# Altium PCB Main (Cópia em conflito de ivan seidel 2013-04-30).PcbDoc (part 2 of 2)
Units mil, origin at the board's own origin, x right, y up, seen from the top; angles counter-clockwise.
Board outline 7637.8 x 5309.29 mil, 2 copper layers (Top Layer, Bottom Layer), stack 65.792 mil thick; 235 components, 196 nets, 794 pads, 227 vias.
Unrouted connection lines stored in the file: 1.
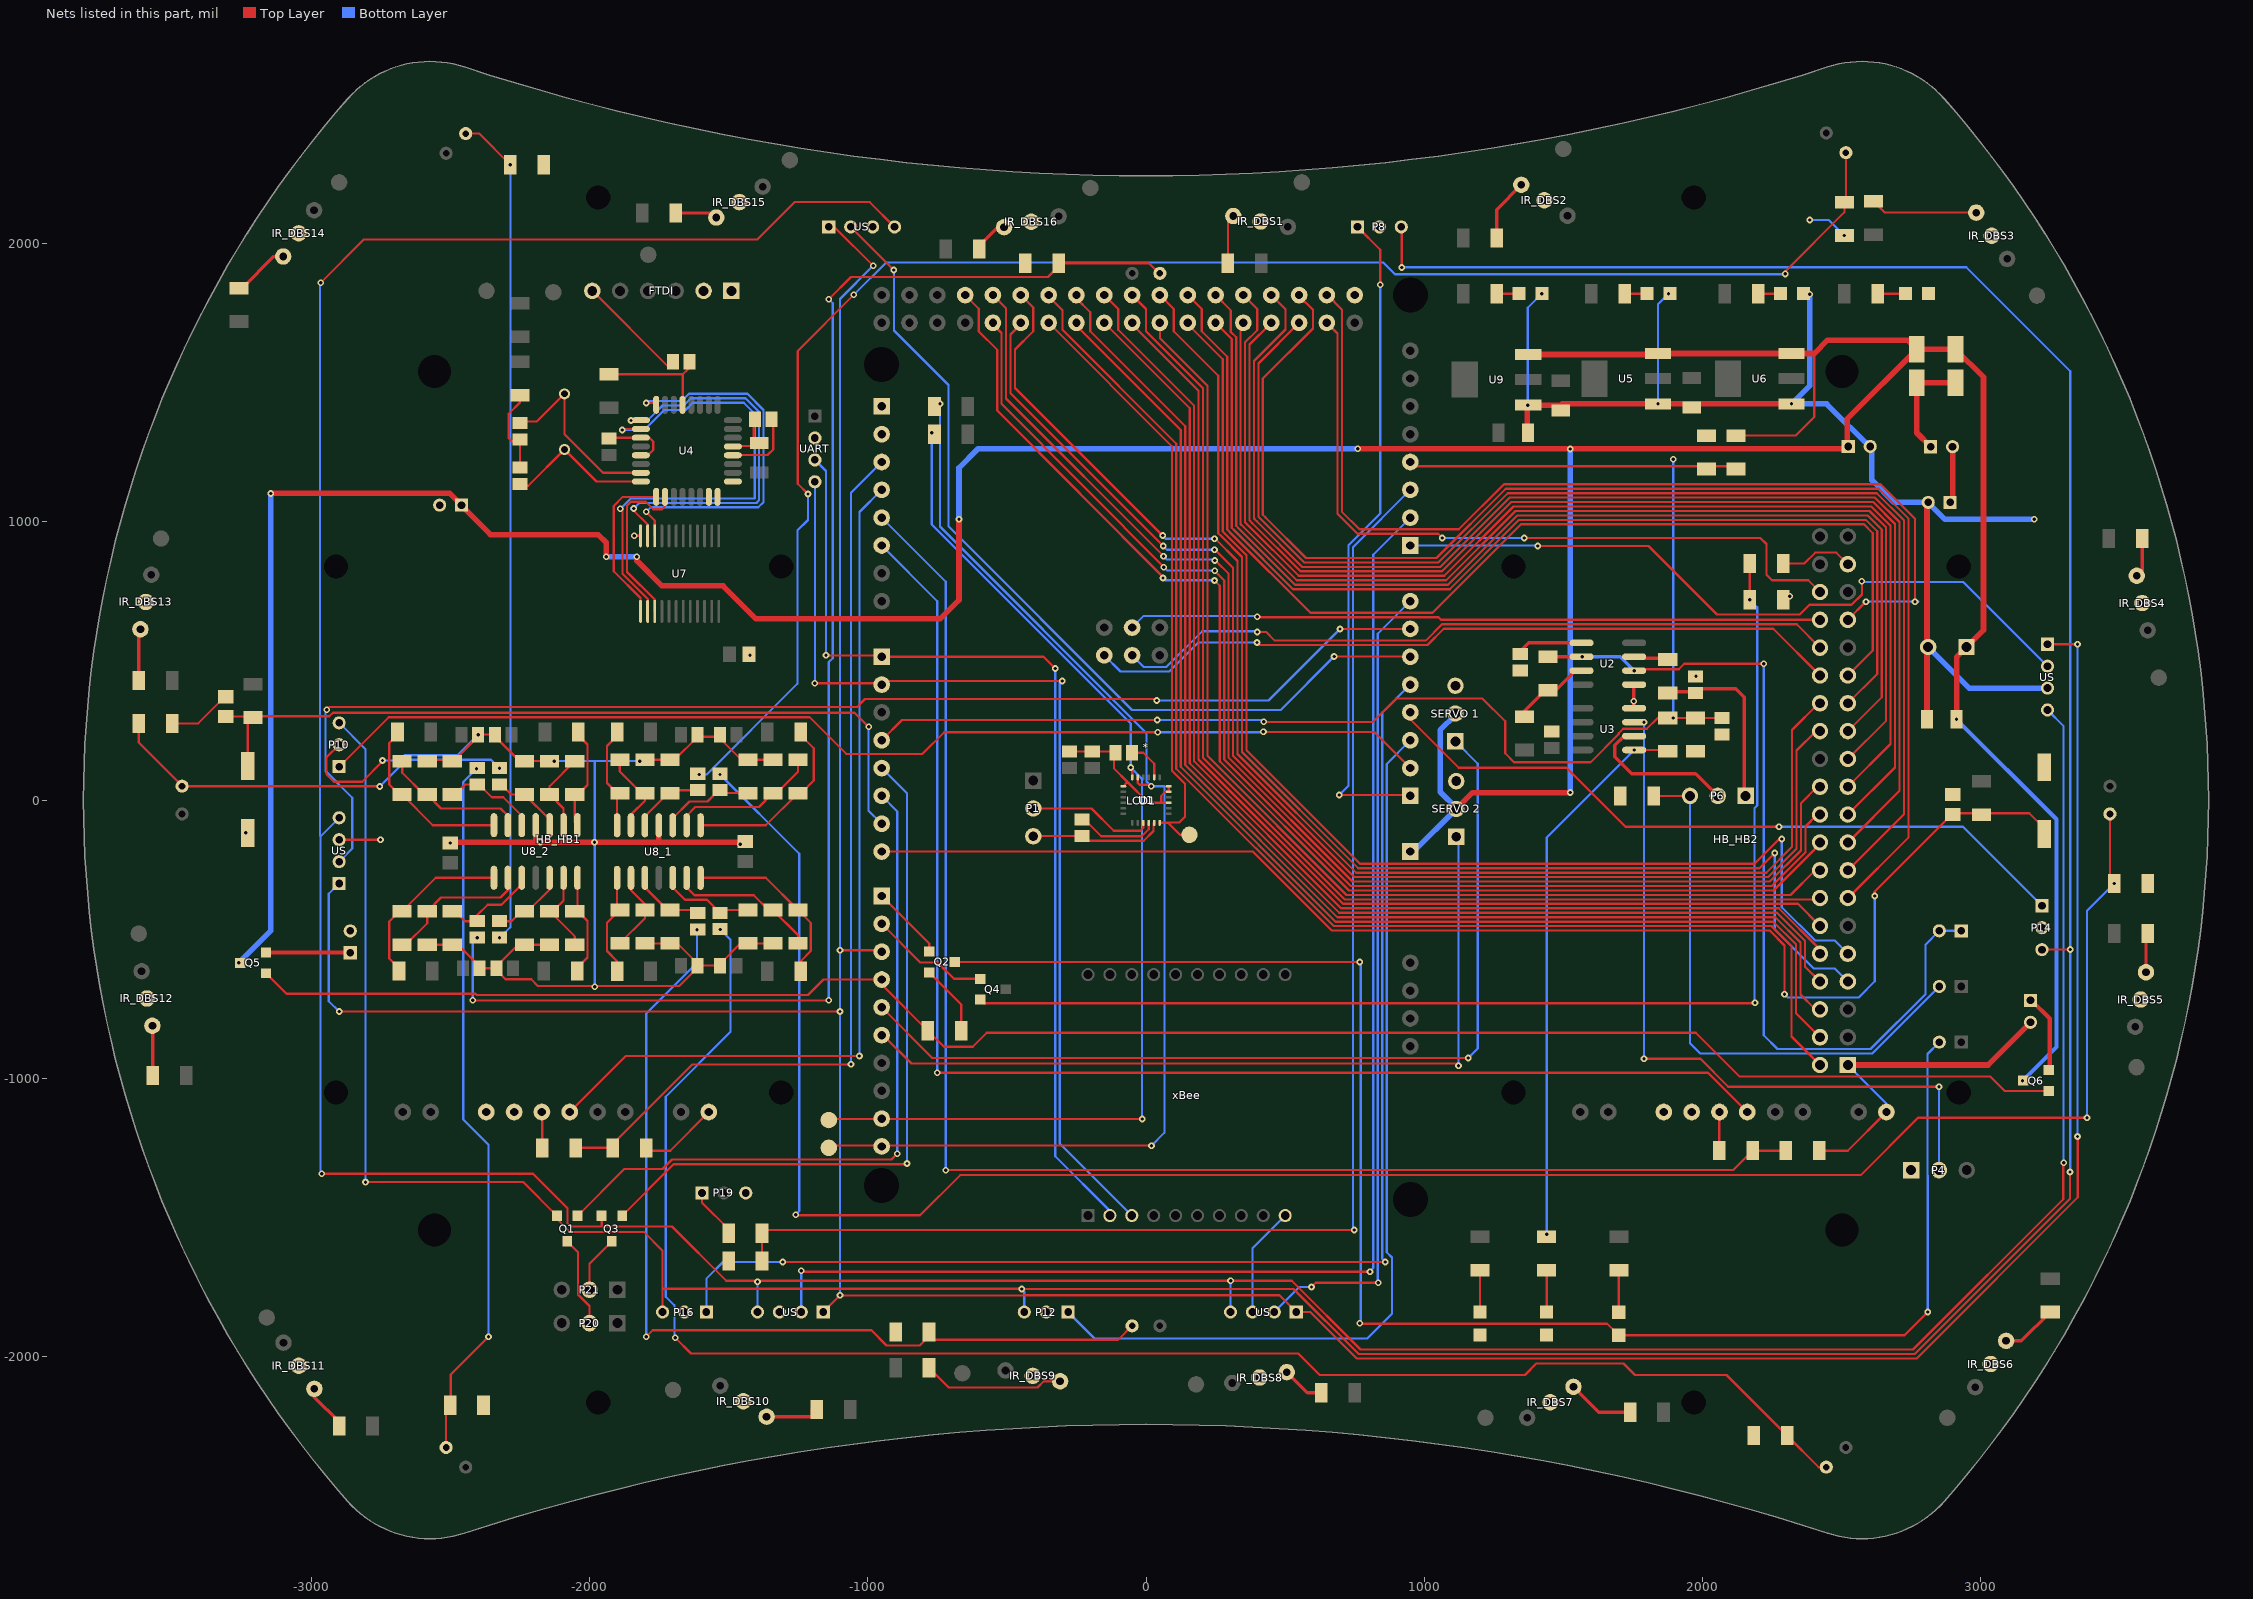
[diagram p2: the nets of this part, all layers, seen from the top]

## Via types
v1: diameter 24, hole 12, Top Layer to Bottom Layer, tented both sides, 227 vias

## Nets (pads, with @x,y where several pads share a name; then routed paths per layer and width w, separated by ;. In a path a pad name is that pad's centre, name@x,y a point inside that pad or via, vN(x,y) a via of type N, cw(c..) or ccw(c..) an arc to the next point about the centre after c; other vN are vias at no path point) (continued)
DB0: *.33 LCD1.21 | length 4809.1
  Top Layer w8: *.33@-333.61,1793.61 -300,1760 -300,1690 109,1281 109,112.61 674.61,-453 2248,-453 2320,-525 2320,-849.79 LCD1.21@2422.45,-952.25
DB1: *.34 LCD1.22 | length 4595.9
  Top Layer w8: *.34@-250,1715 -250,1705 125,1330 125,119.24 681.24,-437 2254.63,-437 2336,-518.37 2336,-765.79 LCD1.22@2422.45,-852.25
DB2: *.35 LCD1.23 | length 4594
  Top Layer w8: *.35@-250,1803 -200,1753 -200,1685 141,1344 141,125.86 687.86,-421 2261.25,-421 2352,-511.75 2352,-699 2405.25,-752.25 LCD1.23@2422.45,-752.25
DB3: *.36 LCD1.24 | length 4354.5
  Top Layer w8: *.36@-150,1715 157,1408 157,132.49 694.49,-405 2267.88,-405 2368,-505.12 2368,-597.79 LCD1.24@2422.45,-652.25
DB4: *.37 LCD1.25 | length 4354.5
  Top Layer w8: *.37@-150,1815 -100,1765 -100,1690 173,1417 173,139.12 701.12,-389 2274.51,-389 2422.45,-536.94 LCD1.25@2422.45,-552.25
DB5: *.38 LCD1.26 | length 4149.4
  Top Layer w8: *.38@-50,1715 -50,1710 189,1471 189,145.75 707.75,-373 2343.21,-373 LCD1.26@2422.45,-452.25
DB6: *.39 LCD1.27 | length 4198.7
  Top Layer w8: *.39@-50,1815 0,1765 0,1685 205,1480 205,152.37 714.37,-357 2417.7,-357 LCD1.27@2422.45,-352.25
DB7: *.40 LCD1.28 | length 4072.2
  Top Layer w8: *.40@50,1715 50,1660 221,1489 221,159 721,-341 2316.37,-341 2405.13,-252.25 LCD1.28@2422.45,-252.25
DB8: *.51 LCD1.7 | length 4871.7
  Top Layer w8: *.51@550,1815 550,1812 600,1762 600,1695 420,1515 420,1025.22 430,1015.22 430,1015 575,870 1044.12,870 1293.12,1119 2633.37,1119 2740,1012.37 2740,-135 2522.75,-352.25 LCD1.7@2522.45,-352.25
DB9: *.50 LCD1.8 | length 4630.3
  Top Layer w8: *.50@550,1715 404,1569 404,1018.59 414,1008.59 414,1008.37 568.37,854 1050.75,854 1299.75,1103 2626.75,1103 2724,1005.75 2724,-51 2522.75,-252.25 LCD1.8@2522.45,-252.25
DB10: *.49 LCD1.9 | length 4631.1
  Top Layer w8: *.49@450,1815 501,1764 501,1691 388,1578 388,1011.96 398,1001.96 398,1001.75 561.75,838 1057.37,838 1306.37,1087 2620.12,1087 2708,999.12 2708,33 2522.75,-152.25 LCD1.9@2522.45,-152.25
DB11: *.48 LCD1.10 | length 4392.7
  Top Layer w8: *.48@450,1715 452,1713 448,1713 372,1637 372,1005.33 382,995.33 382,995.12 555.12,822 1064,822 1313,1071 2613.49,1071 2692,992.49 2692,117.3 LCD1.10@2522.45,-52.25
DB12: *.47 LCD1.11 | length 4388.7
  Top Layer w8: *.47@350,1815 400,1765 400,1689 356,1645 356,998.71 366,988.71 366,988.49 548.49,806 1072,806 1321,1055 2606.86,1055 2676,985.86 2676,201.3 LCD1.11@2522.45,47.75
DB13: *.46 LCD1.12 | length 4147.2
  Top Layer w8: *.46@350,1715 350,1711 340,1701 340,992.08 350,982.08 350,981.86 541.86,790 1078.63,790 1327.63,1039 2600.24,1039 2660,979.24 2660,285.3 LCD1.12@2522.45,147.75
DB14: *.45 LCD1.13 | length 4167.1
  Top Layer w8: *.45@250,1815 305,1760 305,1682.63 324,1663.63 324,985.45 334,975.45 334,975.24 535.24,774 1085.25,774 1334.25,1023 2593.61,1023 2644,972.61 2644,369.3 LCD1.13@2522.45,247.75
DB15: *.44 LCD1.14 | length 3953.9
  Top Layer w8: *.44@250,1715 308,1657 308,978.82 318,968.82 318,968.61 528.61,758 1091.88,758 1340.88,1007 2586.98,1007 2628,965.98 2628,453.3 LCD1.14@2522.45,347.75
DTR: C7.2 FTDI.6 | length 409.8
  Top Layer w8: FTDI.6@-1989.5,1830.5 -1716.72,1557.72 C7.2@-1692.72,1557.72
EN: U4.10 U7.15 | length 612.5
  Top Layer w8: U7.15@-1765.57,678.17 -1765.57,720.57 -1865,820 -1865,1057.94 -1850.94,1072 -1798.06,1072 -1771.22,1045.17 -1739.17,1045.17 -1728.74,1055.59 U4.10@-1728.74,1089.65
GND: 3V3_1.2 3V3_DUE.2 5V_1.2 5V_IR.2 "SERVO 1.3" "SERVO 2.3" *.GND5 C1.1 C2.1 C3.1 C4.1 C5.1 C6.1 C8.1 C9.2 C10.2 C11.1 C12.1 C13.1 C14.2 C15.1 C16.1 C17.1 C18.1 C19.2 C20.2 C21.1 C22.1 C25_1.2 C25_2.2 C26_1.2 C26_2.2 C29_1.2 C29_2.2 C30_1.2 C30_2.2 C31_1.1 C31_2.1 FTDI.1 FTDI.2 HB_HB1.GND3 HB_HB2.GND3 IR_DBS1.2 IR_DBS2.2 IR_DBS3.2 IR_DBS4.2 IR_DBS5.2 IR_DBS6.2 IR_DBS7.2 IR_DBS8.2 IR_DBS9.2 IR_DBS10.2 IR_DBS11.2 IR_DBS12.2 IR_DBS13.2 IR_DBS14.2 IR_DBS15.2 IR_DBS16.2 L1.2 L2.2 LCD1.1 P1.3 P4.1 P8.2 P10.2 P12.2 P14.2 P16.2 P18_HB1.2 P18_HB2.2 P19.3 P22.2 P24.2 P26.2 Q2.2 R2_HB1.1 R2_HB2.1 R7.1 R11.1 R12.1 R24.2 R25_1.1 R25_2.1 R26_1.2 R26_2.2 R27_1.2 R27_2.2 R28_1.1 R28_2.1 R29_1.2 R29_2.2 R32_1.2 R32_2.2 R37_1.1 R37_2.1 R38_1.2 R38_2.2 R39_1.2 R39_2.2 R40_1.1 R40_2.1 R41_1.2 R41_2.2 R42_1.2 R42_2.2 R45.1 R49.2 R50.2 SW1.1 SW2.1 U1.1 U1.11 U1.15 U1.17 U1.18 U2.1 U3.4 U4.3 U4.5 U4.21 U5.1 U6.1 U7.12 U8_1.11 U8_2.11 U9.1 UART.2 US.3 xBee.10 | length 15327.8
  Top Layer w8: R37_2.1@-3499.96,275.59 -3406.41,275.59 -3310.72,371.28 C19.2@-3307.09,371.28 ; US.3@-2900,-142.52 v1(-2751.48,-142.52) ; P10.2@-2900,198.74 -2945,153.74 -2945,93 -2918,66 -2817,66 -2743,140 -2743,141 v1(-2744,142) ; R27_2.2@-2583.4,-520.04 R26_2.2@-2493.4,-520.04 -2472.99,-520.04 -2395.35,-597.67 C25_2.2@-2395.35,-604.8 C26_2.2@-2334.41,-604.8 ; R42_2.2@-2583.4,140.04 -2579.44,144 R41_2.2@-2484.54,144 ; R41_2.2@-2493.4,140.04 R41_2.2@-2488.5,140.04 ; C10.2@-2250,1194.53 C9.2@-2250,1289.57 ; C9.2@-2250,1295.47 C9.2@-2250,1289.57 ; R11.1@-2250,1454.96 -2250,1428.58 -2290,1388.58 -2290,1300 -2279.57,1289.57 C9.2@-2250,1289.57 ; R32_2.2@-2143.4,-520.04 R29_2.2@-2233.4,-520.04 -2256.77,-520.04 -2334.41,-597.68 C26_2.2@-2334.41,-604.8 ; v1(-2127.04,140.04) R39_2.2@-2143.4,140.04 R38_2.2@-2233.4,140.04 -2251.5,140.04 -2339.53,228.07 C29_2.2@-2339.53,235.2 v1(-2400.47,235.2) -2400.47,228.07 R41_2.2@-2484.54,144 ; C8.1@-1911.81,1302.24 U4.3@-1815.35,1302.24 -1784.24,1302.24 -1770.87,1288.87 -1770.87,1257.87 -1789.5,1239.25 U4.5@-1815.35,1239.25 ; v1(-1839.83,949.83) U7.12@-1816.75,949.83 ; R2_HB1.1@-1809.96,-1280 -1789.96,-1260 -1710,-1260 HB_HB1.GND3@-1571.1,-1121.1 ; R27_1.2@-1801,-515.04 R26_1.2@-1711,-515.04 -1684.3,-515.04 -1611.47,-587.87 C25_1.2@-1611.47,-595 ; R42_1.2@-1801,145.04 R41_1.2@-1711,145.04 -1694.31,145.04 -1611.47,227.87 -1537.66,227.87 -1454.82,145.04 R38_1.2@-1431,145.04 R39_1.2@-1341,145.04 ; U4.21@-1460,1272.96 -1410,1272.96 C6.1@-1410,1357.96 ; R32_1.2@-1341,-515.04 R29_1.2@-1431,-515.04 -1457.69,-515.04 -1530.53,-587.87 C26_1.2@-1530.53,-595 C25_1.2@-1611.47,-595 ; Q2.2@-779.26,-619.4 -663.96,-734.7 R49.2@-663.96,-829 ; P1.3@-404.53,-129.53 C1.1@-230,-129.53 -229.47,-129.53 -213,-146 -8.37,-146 26.76,-110.86 26.76,-84.46 U1.11@29.53,-81.69 ; C16.1@-275,174.53 C15.1@-193,174.53 C2.1@-114.05,174.53 ; C2.1@-115.43,170 -115.43,114.07 -66.13,64.77 ; U1.1@-81.69,49.21 -66.13,64.77 ; U1.15@81.69,-9.84 55,-9.84 ; U1.18@81.69,49.21 U1.17@81.69,29.53 69.53,29.53 55,15 55,-9.84 ; C11.1@1446.57,241.04 C11.1@1458,252.47 ; R2_HB2.1@2420.04,-1260 2522.28,-1260 HB_HB2.GND3@2661.18,-1121.1 ; R41_2.2@-2488.5,140.04 R41_2.2@-2484.54,144 ; R41_2.2@-2488.5,140.04 -2485.96,140.04 -2482,144 R41_2.2@-2484.54,144 ; C26_2.2@-2334.41,-604.8 -2334.41,-611.93 -2301.98,-644.36 -2209.46,-644.36 -2185.82,-668 -1677.34,-668 -1611.47,-602.13 C25_1.2@-1611.47,-595 ; -66.13,64.77 8.48,-9.84 55,-9.84
  Top Layer w12: U3.4@1717.96,329.96 U3.4@1754.49,329.96 ; U3.4@1752.52,331.93 v1(1752.52,354.96) 1752.52,415 U2.1@1754.49,415 U2.1@1778,415
  Top Layer w20: v1(-2500,-154.57) -2497.25,-151.82 -2193.4,-151.82 ; U8_2.11@-2193.4,-90.31 -2193.4,-151.82 ; U8_1.11@-1751,-90.51 -1751,-145.82 -1745,-151.82 ; C31_1.1@-1440,-149.57 -1442.25,-151.82 -1745,-151.82 ; C22.1@1370.43,1310 1370.43,1416.84 v1(1372.06,1418.46) C12.1@1490,1418.46 ; 1495.43,1423.9 v1(1840,1423.9) v1(2320,1423.9) ; LCD1.1@2522.45,-952.25 3026.75,-952.25 P26.2@3179.63,-799.37 ; C18.1@2806.85,290 2806.85,1065.59 P24.2@2811.26,1070 ; -2193.4,-151.82 v1(-1982,-151.82) -1745,-151.82
  Bottom Layer w8: v1(-2744,142) -2683.63,142 -2664.63,161 -2474.67,161 v1(-2400.47,235.2) ; v1(-2127.04,140.04) -1981,140.04 ; v1(-1981,-671) -1981,140.04 ; v1(-1818.96,140.04) -1981,140.04 ; US.3@382.52,-1840 382.52,-1611 xBee.10@500.13,-1493.39 ; v1(1372.06,1418.46) 1372.06,1769.38 v1(1422.68,1820) ; v1(1840,1423.9) 1840,1782 v1(1878,1820) ; v1(2385,2085) 2453.96,2085 v1(2510,2028.96) ; LCD1.1@2522.45,-952.25 2661.18,-1090.97 HB_HB2.GND3@2661.18,-1121.1
  Bottom Layer w20: v1(2385,1818) 2385,1488.9 v1(2320,1423.9) 2446.1,1423.9 2609,1261 2609,1149.74 2688.74,1070 P24.2@2811.26,1070 2872.26,1009 v1(3193,1009) ; C14.2@2811.1,550 2958.58,402.52 US.3@3240,402.52
  other v1: -1458,-159 -2177,-151 -3235,-117 1977,444.53 -1423,521 2314,733
LCD_CS: *.43 LCD1.15 | length 4039.2
  Top Layer w8: *.43@150,1815 200,1765 200,1685 292,1593 292,972.2 302,962.2 302,961.98 590.98,673 1029.51,673 1347.51,991 2580.35,991 2612,959.35 2612,537.3 LCD1.15@2522.45,447.75
LCD_RESET: *.53 LCD1.17 | length 3596.5
  Top Layer w8: *.53@650,1815 652,1815 704,1763 704,1036 767,973 1124.49,973 1286.49,1135 2640,1135 2764,1011 v1(2764,713) ; LCD1.17@2522.45,647.75 v1(2588,713.3)
  Bottom Layer w8: v1(2588,713.3) 2775.3,713.3 2775,713 v1(2764,713)
LCD_RS: *.41 LCD1.4 | length 4490.5
  Top Layer w8: *.41@50,1815 100,1765 100,1685 260,1525 260,958.94 270,948.94 270,948.73 345,873.73 345,172.37 762.37,-245 2205,-245 v1(2260,-190)
  Bottom Layer w8: v1(2260,-190) 2260,-465 2400,-605 2475.21,-605 LCD1.4@2522.45,-652.25
LCD_WR: *.42 LCD1.5 | length 4305
  Top Layer w8: *.42@150,1715 150,1710 276,1584 276,965.57 286,955.57 286,955.35 361,880.35 361,179 769,-229 2187.06,-229 2276.06,-140 v1(2285,-140)
  Bottom Layer w8: v1(2285,-140) 2285,-385 2405,-505 2475.21,-505 LCD1.5@2522.45,-552.25
LED: Q4.2 R22.2 R24.1 | length 4382.8
  Top Layer w8: Q4.2@-596.26,-717.4 -583.66,-730 v1@2188.7,-730 ; v1(2169.96,720) R22.2@2169.96,850
  Bottom Layer w8: v1(2169.96,720) 2196.53,693.43 2196.53,500.47 2196,499.94 2196,480.06 2196.53,479.53 2196.53,-19.5 2187.4,-28.62 v1@2187.4,-727.4
  other v1: 2188.7,-728.7
MISO: U4.16
MOSI: U4.15
Net3V3_1_1: 3V3_1.1 R31.1 | length 80
  Top Layer w8: R31.1@2200.04,1820 3V3_1.1@2280,1820
Net3V3_DUE_1: 3V3_DUE.1 R48.1 | length 100
  Top Layer w8: R48.1@2630.04,1820 3V3_DUE.1@2730,1820
Net5V_1_1: 5V_1.1 R30.1 | length 80
  Top Layer w8: R30.1@1720.04,1820 5V_1.1@1800,1820
Net5V_IR_1: 5V_IR.1 R15.1 | length 80
  Top Layer w8: R15.1@1260.04,1820 5V_IR.1@1340,1820
Net*_3: *.3 C4.2 R6.1 R7.2 | length 4267.7
  Top Layer w8: *.3@-950,215 -877,288 v1(40,288) ; v1(423,281) 816,281 900,365 1209,365 1291,283 1291,168 1323,136 1598,136 1699.18,237.18 1699.18,239.82 1715.36,256 1799.94,256 1838.98,295.04 R6.1@1875,295.04 ; v1(1895.04,295.04) R6.1@1875,295.04 ; C4.2@2070,294.53 1875.51,294.53 R6.1@1875,295.04
  Bottom Layer w8: v1(40,288) 416,288 v1(423,281) ; v1(1895.04,295.04) v1(1895.04,1224.96)
Net*_4: *.4 Q3.3 | length 2560.1
  Top Layer w8: Q3.3@-1882.6,-1493.74 -1697.86,-1309 -862,-1309 v1(-859,-1306)
  Bottom Layer w8: *.4@-950,115 -859,24 v1(-859,-1306)
Net*_5: *.5 Q1.3 | length 2550.1
  Top Layer w8: Q1.3@-2042.6,-1493.74 -1874.86,-1326 -1737.49,-1326 -1703.49,-1292 -915,-1292 v1(-894,-1271)
  Bottom Layer w8: *.5@-950,15 -894,-41 v1(-894,-1271)
Net*_6: *.6 C19.1 R20.2 SW1.2 | length 2872
  Top Layer w8: C19.1@-3307.09,300.42 -3228.35,300.42 SW1.2@-3228.35,122.05 ; R20.2@-3209.09,296.81 -3204.9,301 -2935.06,301 -2922.06,314 -1048,314 v1(-997,263) ; *.6@-955,-80 *.6@-950,-85
  Bottom Layer w8: v1(-997,263) -997,-38 *.6@-950,-85
Net*_7: *.7 C20.1 R21.2 SW2.2 | length 5005.9
  Top Layer w8: *.7@-950,-185 383.98,-185 667.98,-469 2241.37,-469 2295,-522.63 v1(2295,-698) ; v1(2619.46,-345) 2619.46,-328.54 2896.57,-51.43 C20.1@2899,-51.43 2903.43,-47 3174.84,-47 3228.35,-100.5 SW2.2@3228.35,-122.05
  Bottom Layer w8: v1(2295,-698) 2306.77,-709.77 2561.23,-709.77 2619.46,-651.54 v1(2619.46,-345)
Net*_8: *.8 Q2.3 | length 270.3
  Top Layer w8: *.8@-950,-345 -779.26,-515.74 Q2.3@-779.26,-544.6
Net*_9: *.9 Q4.3 | length 435.6
  Top Layer w8: *.9@-950,-445 -811,-584 -749,-584 -690.4,-642.6 Q4.3@-596.26,-642.6
Net*_10: *.10 US.1 | length 13380.9
  Top Layer w8: v1(-2900,-760) v1(-1100,-760) ; US.1@-1160,-1840 v1(-1100,-1780) -1099,-1781 -437.06,-1781 -436.06,-1780 480,-1780 US.1@540,-1840 590.75,-1840 757.75,-2007 2769.63,-2007 3349,-1427.63 v1@3349,-1209 ; US.1@-1140,2060 -1120,2060 v1(-980,1920) ; v1(-1100,-540) -955,-540 *.10@-950,-545 *.10@-949.6,-544.6 ; US.1@3240,560 v1(3348,560)
  Bottom Layer w8: v1(-2900,-760) -2937,-723 -2937,-337 US.1@-2900,-300 ; v1(-1100,-1780) v1(-1100,-760) v1(-1100,-540) -1100,1801 -981,1920 v1(-980,1920) ; v1@3348,-1214 v1(3348,-1209) v1(3348,560)
Net*_11: *.11 Q5.3 Q6.3 R49.1 | length 6684.4
  Top Layer w8: Q5.3@-3162.74,-622.4 -3089.14,-696 -2410.06,-696 -2405.06,-701 -1215,-701 -1159,-645 *.11@-950,-645 -950,-663.04 R49.1@-784.04,-829 ; R49.1@-786,-829 R49.1@-784.04,-829 ; Q6.3@3245.26,-1045.4 3086.4,-1045.4 3035,-994 2134,-994 1976,-836 -572,-836 -623,-887 -726.04,-887 R49.1@-784.04,-829
Net*_12: "SERVO 1.1" *.12 | length 3368.6
  Top Layer w8: *.12@-950,-745 -768,-927 -704.43,-927 v1(1158,-927)
  Bottom Layer w8: 1112,211 1192,131 1192,-893 v1(1158,-927)
Net*_13: "SERVO 2.1" *.13 | length 2945.5
  Top Layer w8: *.13@-950,-845 -945,-845 -843,-947 1116,-947 1123,-954 v1(1123,-955)
  Bottom Layer w8: 1115,-132 1123,-140 v1(1123,-955)
Net*_17: *.17 R1_HB2.1 R2_HB2.2 | length 5489.2
  Top Layer w8: v1(-720,-1330) 2110.04,-1330 R1_HB2.1@2180.04,-1260 R2_HB2.2@2299.96,-1260
  Bottom Layer w8: *.17@-950,1015 -720,785 v1(-720,-1330)
Net*_19: *.19 R1_HB1.1 R2_HB1.2 | length 3324.8
  Top Layer w8: R1_HB1.1@-2049.96,-1250 -1930.04,-1250 -1630.04,-950 v1(-1060,-950)
  Bottom Layer w8: v1(-1060,-950) -1060,1105 *.19@-950,1215
Net*_20: *.20
Net*_21: *.21
Net*_32: *.32 IMU_INT.1 U1.12 | length 2202.5
  Top Layer w8: *.32@-350,1715 93,1272 93,105.98 140,58.98 140,-60 119,-81 49.9,-81 U1.12@49.21,-81.69 78.69,-81.69 122,-125 IMU_INT.1@156,-125
Net*_A10: *.A10 R43.2 R50.1 | length 4979.8
  Top Layer w8: R50.1@-1379.96,-1656.75 R43.2@-1379.96,-1556.75 -1368.21,-1545 v1(748,-1545)
  Bottom Layer w8: v1(748,-1545) 744,-1541 744,909 *.A10@950,1115
Net*_A11: *.A11 R44.1 R45.2 | length 1181
  Top Layer w8: *.A11@950,1200 R44.1@2131,1200
Net*_SCL1: *.SCL1 IMU_SCL.1 R46.2 U1.23 | length 4294.7
  Top Layer w8: IMU_SCL.1@-1140,-1242 v1(20,-1242) ; R46.2@-750.13,1415 v1(-740.33,1424.8) ; U1.23@-29.53,81.69 -29.53,61.53 -23,55 14,55 v1(19,50)
  Bottom Layer w8: v1(-740.33,1424.8) -740.33,982.96 2,240.63 2,67 v1(19,50) 66,50 66,-1196 v1(20,-1242)
Net*_SDA1: *.SDA1 IMU_SDA.1 R47.2 U1.24 | length 3947.8
  Top Layer w8: IMU_SDA.1@-1140,-1146 v1(-14,-1146) ; v1(-770,1320) R47.2@-765.04,1320 ; v1(-55,117) -49.21,111.21 U1.24@-49.21,81.69
  Bottom Layer w8: v1(-770,1320) -770,990 -55,275 v1(-55,117) -14,76 v1(-14,-1146)
NetC1_2: C1.2 U1.10 | length 298.7
  Top Layer w8: C1.2@-230,-70.47 -220.53,-70.47 -161,-130 -15,-130 10,-105 10,-81.53 U1.10@9.84,-81.69
NetC2_2: C2.2 U1.20 | length 139.2
  Top Layer w8: C2.2@-44.57,170 -10,170 29.53,130.47 U1.20@29.53,81.69
NetC3_2: C3.2 U2.5 | length 242.3
  Top Layer w12: C3.2@1339.76,529.76 1375,565 U2.5@1567.48,565
NetC6_2: C6.2 U4.20 | length 251.2
  Top Layer w8: U4.20@-1484.65,1239.25 -1483.9,1240 -1360,1240 -1340,1260 C6.2@-1340,1358
NetC9_1: C9.1 U4.7 Y1.1 | length 678.4
  Top Layer w8: C9.1@-2250,1360.43 -2189.57,1360.43 Y1.1@-2090,1460 -2090,1315 -1951.26,1176.26 U4.7@-1815.35,1176.26
NetC10_1: C10.1 U4.8 Y1.2 | length 536.4
  Top Layer w8: C10.1@-2250,1129.57 -2220.43,1129.57 Y1.2@-2090,1260 -1975,1145 -1815.59,1145 U4.8@-1815.35,1144.76
NetC23_1_1: C23_1.1 R26_1.1 U8_1.3 | length 262.4
  Top Layer w8: U8_1.3@-1801,-279.49 -1801,-314 -1720.04,-394.96 R26_1.1@-1711,-394.96 -1621.51,-394.96 C23_1.1@-1611,-405.47
NetC23_1_2: C23_1.2 IR1_1.2 R25_1.2 | length 3367.7
  Top Layer w8: v1(-1796,-1929) -1772.5,-1905.5 -986.92,-1905.5 -932.42,-1960 -812.92,-1960 -779.96,-1927.04 -779.96,-1940 -100.24,-1940 IR1_1.2@-50,-1889.76 ; v1(-1614,-466) -1612.53,-464.53 C23_1.2@-1611,-464.53
  Bottom Layer w8: v1(-1796,-1929) -1796,-767 -1614,-585 v1(-1614,-466)
NetC23_2_1: C23_2.1 R26_2.1 U8_2.3 | length 356.2
  Top Layer w8: R26_2.1@-2493.4,-399.96 -2483.04,-399.96 -2447.69,-435.32 C23_2.1@-2403.4,-435.32 -2403.4,-413.4 -2366,-376 -2316,-376 -2243.4,-303.4 U8_2.3@-2243.4,-279.29
NetC23_2_2: C23_2.2 IR1_2.2 R25_2.2 | length 5310.4
  Top Layer w8: v1(-2420,-720) v1(-1140,-720) ; v1(-1140,1800) -1060,1880 -352,1880 -313.98,1918.02 R25_2.2@-313.98,1929.13 10.63,1929.13 IR1_2.2@50,1889.76
  Bottom Layer w8: v1(-2420,-720) -2420,-510.97 v1(-2403.4,-494.37) ; v1(-1140,-720) -1140,496.06 -1126,510.06 -1126,1786 v1(-1140,1800)
NetC24_1_1: C24_1.1 R29_1.1 U8_1.5 | length 346.5
  Top Layer w8: U8_1.5@-1701,-279.49 -1701,-314 -1657,-358 -1578.16,-358 C24_1.1@-1531,-405.16 -1520.8,-394.96 R29_1.1@-1431,-394.96
NetC24_1_2: C24_1.2 IR2_1.2 R28_1.2 | length 5956.9
  Top Layer w8: v1(-1692,-1932) -1635,-1989 547,-1989 624,-2066 1361.89,-2066 1402.89,-2025 1716.15,-2025 1757.15,-2066 2086.67,-2066 R28_1.2@2304.13,-2283.46 2418.23,-2397.56 IR2_1.2@2444.96,-2397.56 ; C24_1.2@-1530.21,-465 v1(-1530,-465)
  Bottom Layer w8: v1(-1692,-1932) -1695,-1929 -1695,-1816 -1726,-1785 -1726,-1066 -1493,-833 -1493,-502 v1(-1530,-465)
NetC24_2_1: C24_2.1 R29_2.1 U8_2.5 | length 269.3